# Altium PCB StratoChovy.PcbDoc (part 1 of 2) (continued)
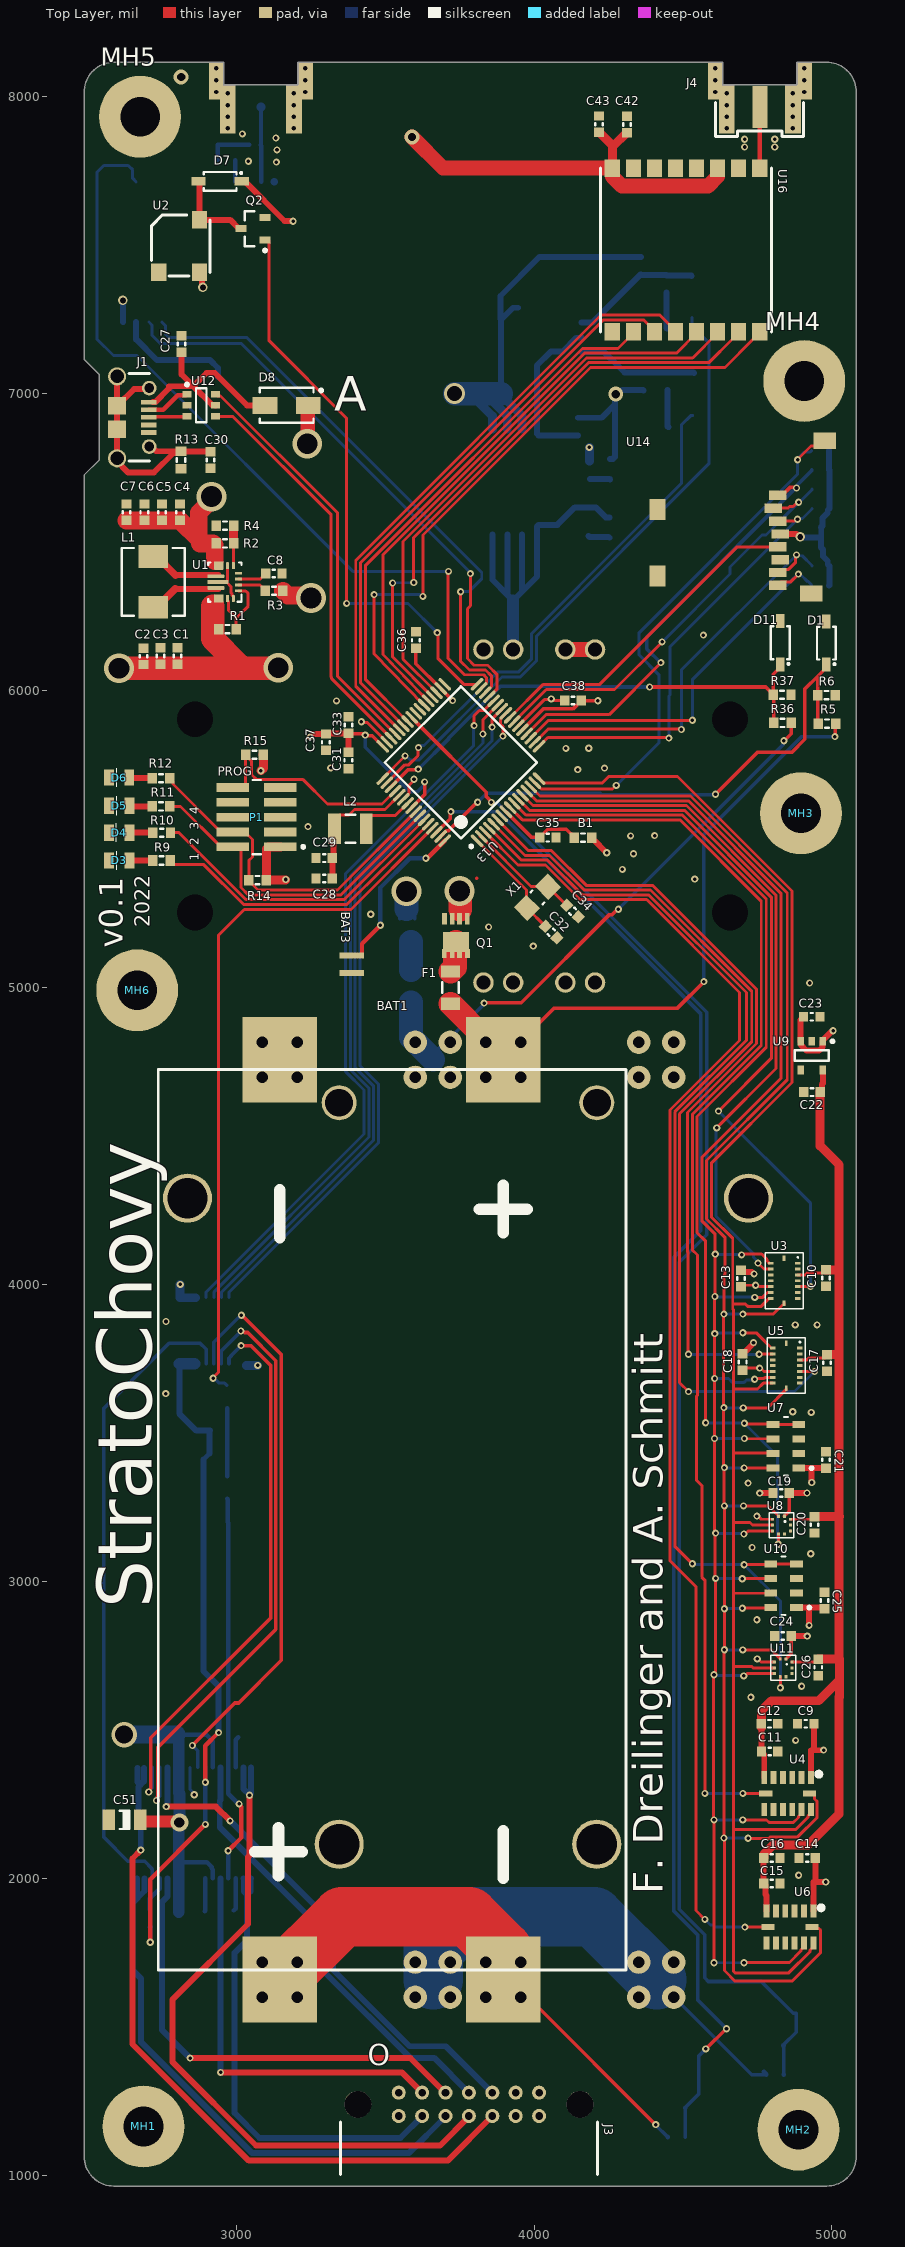
[diagram p0: Top Layer view]
## Footprints (in the part's own frame and the unit in brackets; to place one, negate y for a bottom-side part, rotate by r counter-clockwise, add the part's x,y. Pads: shape width x height; smd on the part's side, far side on the other; paste and mask are expansions set on the pad) (continued)
BATT_COINCELL_RECHARGEABLE [mm] "RECHARGEABLE COIN CELL MS621FE"
  rect 2.1x0.5 smd: +(0,0) -(0,-1.5)
  body extent -8.28,-4.16 -1.48,2.64, height 2.8
BMI088 [mm]
  rect 0.25x0.475 smd: 1(3.75,0.34) 2(3.25,0.34) 3(2.75,0.34) 4(2.25,0.34) 5(1.75,0.34) 6(1.25,0.34) 7(0.75,0.34) 9(0.75,2.66) 10(1.25,2.66) 11(1.75,2.66) 12(2.25,2.66) 13(2.75,2.66) 14(3.25,2.66) 15(3.75,2.66)
  rect 0.475x0.25 smd: 8(0.335,1.5) 16(4.165,1.5)
  silkscreen extent -0.13,-0.13 4.63,3.13, body extent 0,0 4.5,3, height 1
BUZ_SMT-0540-T-7-R [mm]
  rect 1.3x1.5 smd: 1(0,4.5) 2(0,0) 3(3.5,4.5)
  silkscreen extent -0.9,-0.4 4.1,4.8, body extent -0.92,-0.43 4.08,5.07, height 2
C0603 [mm] "Chip Capacitor, 2-Leads, Body 1.6x0.8mm, IPC High Density"
  rect 0.8x0.85 smd: 1(-0.7,0) 2(0.7,0)
  silkscreen extent -0.1,-0.33 0.1,0.33, body extent -0.8,-0.4 0.8,0.4, height 0.8
C1206P [mm] "Chip Capacitor, 2-Leads, Body 3.2x1.6mm, IPC High Density"
  rect 1.1x1.75 smd: 1(-1.35,0) 2(1.35,0)
  silkscreen extent -0.4,-0.78 0.4,0.77, body extent -1.6,-0.8 1.6,0.8, height 0.78
C1210 [mm] "Chip Capacitor, 2-Leads, Body 3.2x2.5mm, IPC High Density"
  rect 1.1x2.6 smd: 1(-1.35,0) 2(1.35,0)
  silkscreen extent -0.4,-1.2 0.4,1.2, body extent -1.6,-1.25 1.6,1.25, height 0.78
CONN_USBMICROB_10118194-0001LF [mm]
  rect 0.4x1.35 smd: 1(-1.3,2.7) 2(-0.65,2.7) 3(0,2.7) 4(0.65,2.7) 5(1.3,2.7)
  round 1.55 hole 1.15: SHIELD(-3.5,0) SHIELD(3.5,0)
  round 1.25 hole 0.85: SHIELD(-2.5,2.75) SHIELD(2.5,2.75)
  rect 1.5x1.55 smd: SHIELD(-1,0) SHIELD(1,0)
  silkscreen extent -3.75,1.02 3.75,2.75, body extent -4.03,-2.71 4.02,2.87, height 2.72
DRF1268T [mm]
  rect 1.5x1.3 smd paste+0 mask+0: 1(0,0) 2(0,-1.8) 3(0,-3.6) 4(0,-5.4) 5(0,-7.2) 6(0,-9) 7(0,-10.8) 8(0,-12.6) 9(14,-12.6) 10(14,-10.8) 11(14,-9) 12(14,-7.2) 13(14,-5.4) 14(14,-3.6) 15(14,-1.8) 16(14,0)
  silkscreen extent 0,-13.6 14,1, body extent 0,-13.59 13.97,1.02, height 3
HARWIN_M80-5401442 [mm] "Headers & Wire Housings 7+7 POS R/A MALE 3mm TAIL W/JS TIN"
  round 1.2 hole 0.65: 1(6,1) 2(4,1) 3(2,1) 4(0,1) 5(-2,1) 6(-4,1) 7(-6,1) 8(-6,-1) 9(-4,-1) 10(-2,-1) 11(0,-1) 12(2,-1) 13(4,-1) 14(6,-1)
  round 2.3 hole 2.3: 15(-9.5,0) 15(9.5,0)
  silkscreen extent -11,-6 11,-1.5, body extent -12,-7 12,2.1, height 5.98
LGA_CC-14-1 [mm]
  rect 1.118x0.5 smd mask+0.025: 1(-1.371,2) 2(-1.371,1.2) 3(-1.371,0.4) 4(-1.371,-0.4) 5(-1.371,-1.2) 6(-1.371,-2) 8(1.371,-2) 9(1.371,-1.2) 10(1.371,-0.4) 11(1.371,0.4) 12(1.371,1.2) 13(1.371,2)
  rect 0.5x1.118 smd mask+0.025: 7(0,-1.871) 14(0,1.871)
  silkscreen extent -1.84,2.48 -1.46,2.86, body extent -1.63,-2.5 1.63,2.5, height 1
MICROSD_CARD_SOCKET [mm]
  rect 0.8x1.5 smd: 1(-8.94,-3.8) 2(-7.84,-4.2) 3(-6.74,-3.8) 4(-5.64,-3.6) 5(-4.54,-3.8) 6(-3.44,-3.6) 7(-2.34,-3.8) 8(-1.24,-3.8)
  rect 1.4x1.9 smd: CD(-13.6,0.2) SHIELD3(-0.55,-0.95)
  rect 1.8x1.4 smd: SHIELD1(-2.05,-14.1) SHIELD2(-7.75,-14.1)
  body extent -14,-14.42 0,0.83, height 1.85
MSI-MS561101BA03-50-8_V [mm] "SMD, 8-Leads, Body 5x3mm, Pitch 1.25mm"
  rect 1.1x0.6 smd: 1(-1.1,1.875) 2(-1.1,0.625) 3(-1.1,-0.625) 4(-1.1,-1.875) 5(1.1,-1.875) 6(1.1,-0.625) 7(1.1,0.625) 8(1.1,1.875)
  silkscreen extent -2.32,-2.5 0.15,2.5, body extent -1.5,-2.5 1.5,2.5, height 1
NEO_M8 [mm]
  rect 1.8x0.85 smd paste-25.4 mask-25.4: 1(6,-7.127) 2(6,-6.027) 3(6,-4.927) 4(6,-3.827) 5(6,-2.727) 6(6,-1.627) 7(6,-0.527) 8(6,2.473) 9(6,3.573) 10(6,4.673) 11(6,5.773) 12(6,6.873) 13(-6,6.873) 14(-6,5.773) 15(-6,4.673) 16(-6,3.573) 17(-6,2.473) 18(-6,-0.527) 19(-6,-1.627) 20(-6,-2.727) 21(-6,-3.827) 22(-6,-4.927) 23(-6,-6.027) 24(-6,-7.127)
  silkscreen extent -6.1,-8.81 7.41,7.87, body extent -5.95,-8 6.25,8, height 1.88
POWERPAK_1212-8_SINGLE [mm] "PowerPAK 1212-8 Single (Vishay footprint)"
  rect 0.99x0.405 smd: 1(-1.12,0.975) 1(-1.12,-0.315) 1(-1.12,0.315) 4(-1.12,-0.975)
  rect 1.725x2.204 smd: 5(0.863,0)
  rect 0.76x0.405 smd: 5(1.855,0.992) 5(1.855,-0.315) 5(1.855,0.315) 5(1.855,-0.992)
  Mechanical 13 keep-out region: -0.166,-1.772 0.169,-1.772 0.169,1.778 -0.166,1.778
  body extent -1.5,-1.25 2,1.25, height 1.05
R0402 [mm] "Chip Resistor, 2-Leads, Body 1.0x0.5mm, IPC High Density"
  rect 0.65x0.55 smd: 1(-0.475,0) 2(0.475,0)
  body extent -0.5,-0.25 0.5,0.25, height 0.35
R0603 [mm] "Chip Resistor, 2-Leads, Body 1.6x0.8mm, IPC High Density"
  rect 0.8x0.9 smd: 1(-0.75,0) 2(0.75,0)
  silkscreen extent -0.15,-0.35 0.15,0.35, body extent -0.8,-0.4 0.8,0.4, height 0.45
R1206 [mm] "Chip Resistor, 2-Leads, Body 3.1x1.6mm, IPC High Density"
  rect 1.05x1.6 smd: 1(-1.375,0) 2(1.375,0)
  silkscreen extent -0.45,-0.7 0.45,0.7, body extent -1.6,-0.8 1.6,0.8, height 0.6
"SAMD TQFP-64" [mm] "TSQFP, 64-Leads, Body 10.00x10.00mm, Pitch 0.50mm, IPC Medium Density"
  oval 1.4x0.3 smd: 1(-5.7,3.75) 2(-5.7,3.25) 3(-5.7,2.75) 4(-5.7,2.25) 5(-5.7,1.75) 6(-5.7,1.25) 7(-5.7,0.75) 8(-5.7,0.25) 9(-5.7,-0.25) 10(-5.7,-0.75) 11(-5.7,-1.25) 12(-5.7,-1.75) 13(-5.7,-2.25) 14(-5.7,-2.75) 15(-5.7,-3.25) 16(-5.7,-3.75) 33(5.7,-3.75) 34(5.7,-3.25) 35(5.7,-2.75) 36(5.7,-2.25) 37(5.7,-1.75) 38(5.7,-1.25) 39(5.7,-0.75) 40(5.7,-0.25) 41(5.7,0.25) 42(5.7,0.75) 43(5.7,1.25) 44(5.7,1.75) 45(5.7,2.25) 46(5.7,2.75) 47(5.7,3.25) 48(5.7,3.75)
  oval 0.3x1.4 smd: 17(-3.75,-5.7) 18(-3.25,-5.7) 19(-2.75,-5.7) 20(-2.25,-5.7) 21(-1.75,-5.7) 22(-1.25,-5.7) 23(-0.75,-5.7) 24(-0.25,-5.7) 25(0.25,-5.7) 26(0.75,-5.7) 27(1.25,-5.7) 28(1.75,-5.7) 29(2.25,-5.7) 30(2.75,-5.7) 31(3.25,-5.7) 32(3.75,-5.7) 49(3.75,5.7) 50(3.25,5.7) 51(2.75,5.7) 52(2.25,5.7) 53(1.75,5.7) 54(1.25,5.7) 55(0.75,5.7) 56(0.25,5.7) 57(-0.25,5.7) 58(-0.75,5.7) 59(-1.25,5.7) 60(-1.75,5.7) 61(-2.25,5.7) 62(-2.75,5.7) 63(-3.25,5.7) 64(-3.75,5.7)
  silkscreen extent -5.82,-4.6 4.6,4.6, body extent -6,-6 6,6, height 1.2
SCREW_M3 [mm]
  round 7 hole 3.4: 1(0,0)
SMA [mm] "Molded Diode, 2-Leads, Body 4.3x2.6mm, IPC High Density"
  rect 2.1x1.45 smd: 1(-1.85,0) 2(1.85,0)
  silkscreen extent -2.3,-1.5 3.08,1.5, body extent -2.6,-1.3 2.6,1.3, height 2.4
SMA-J-P-X-ST-EM1 [mm]
  rect 1.35x4.2 smd paste-2.54 mask+0: G1(2.825,-2.1) G3(-2.825,-2.1)
  rect 1.35x4.2 smd far side paste-2.54 mask+0: G2(2.825,-2.1) G4(-2.825,-2.1)
  rect 1.27x3.175 smd far side paste-2.54 mask+0: G5(3.81,0.317) G6(-3.81,0.318)
  rect 1.27x3.175 smd paste-2.54 mask+0: G7(3.81,0.317) G8(-3.81,0.318)
  rect 1.27x3.6 smd paste-2.54 mask+0.05: S1(0,-1.9)
  silkscreen extent -3.81,-4.45 3.75,-1.52, body extent -3.18,-3.78 3.18,12.1, height 3.63
SMD5230 [mm]
  rect 1.95x2.55 smd: 1(-2.175,0) 2(2.175,0)
  silkscreen extent -2.9,-2.7 2.9,2.7, body extent -2.87,-2.72 2.87,2.71, height 3
SMTC-FTSH-105-01-L-DV-K_V [mm] "CONN, 10-Leads, Body 6.35x3.43mm, Pitch 1.27mm"
  rect 0.74x2.79 smd: 1(-2.54,-2.035) 2(-2.54,2.035) 3(-1.27,-2.035) 4(-1.27,2.035) 5(0,-2.035) 6(0,2.035) 7(1.27,-2.035) 8(1.27,2.035) 9(2.54,-2.035) 10(2.54,2.035)
  silkscreen extent -3.17,-4.11 3.18,0.34, body extent -3.17,-2.92 3.18,2.92, height 6.12
SOD123 [mm]
  rect 1.2x0.7 smd: 1(-1.85,0) 2(1.85,0)
  silkscreen extent -1.4,-0.8 1.85,0.8, body extent -1.85,-0.8 1.85,0.8, height 1.27
SOT1762-1 [mm] "SSOP, 32-Leads, Body 11.00x7.50mm, Pitch 0.65mm, IPC Medium Density"
  oval 1.9x0.4 smd: 1(-4.75,4.875) 2(-4.75,4.225) 3(-4.75,3.575) 4(-4.75,2.925) 5(-4.75,2.275) 6(-4.75,1.625) 7(-4.75,0.975) 8(-4.75,0.325) 9(-4.75,-0.325) 10(-4.75,-0.975) 11(-4.75,-1.625) 12(-4.75,-2.275) 13(-4.75,-2.925) 14(-4.75,-3.575) 15(-4.75,-4.225) 16(-4.75,-4.875) 17(4.75,-4.875) 18(4.75,-4.225) 19(4.75,-3.575) 20(4.75,-2.925) 21(4.75,-2.275) 22(4.75,-1.625) 23(4.75,-0.975) 24(4.75,-0.325) 25(4.75,0.325) 26(4.75,0.975) 27(4.75,1.625) 28(4.75,2.275) 29(4.75,2.925) 30(4.75,3.575) 31(4.75,4.225) 32(4.75,4.875)
  silkscreen extent -4.87,-5.55 3.4,5.75, body extent -5.15,-5.55 5.15,5.55, height 2.65
STRATOLOGGER_ALTIMETER [mm]
  round 1.75 hole 1.2: 1(-5.994,-11.542) 2(-5.994,-14.082) 3(-5.994,-18.542) 4(-5.994,-21.082) 5(22.486,-21.082) 6(22.486,-18.542) 7(22.486,-14.082) 8(22.486,-11.542)
  round 1.524 hole 3.048: Hole1(0,0) Hole2(16.51,0) Hole3(0,-45.745) Hole4(16.51,-45.745)
  silkscreen extent -2.46,-48.41 19.1,2.39, body extent -2.47,-48.41 19.12,2.39, height 13.2
TPS63070 [mm]
  rrect40% 0.6x0.25 on Top Paste: 0(0.751,2.413) 0(0.751,1.913) 0(3.551,1.913) 0(3.551,2.413)
  rrect40% 0.6x0.25 on Top Solder: 0(0.751,2.413) 0(0.751,1.913) 0(3.551,1.913) 0(3.551,2.413)
  rrect40% 0.25x0.75 on Top Paste: 0(0.926,2.163) 0(3.376,2.163)
  rrect40% 0.25x0.75 on Top Solder: 0(0.926,2.163) 0(3.376,2.163)
  rrect40% 0.25x0.72 on Top Paste: 0(2.151,2.698) 1(2.151,1.778)
  rrect42% 0.24x0.6 smd: 1(1.401,0.488) 2(1.901,0.488) 3(2.401,0.488) 4(2.901,0.488)
  rrect40% 0.25x0.575 on Top Paste: 1(1.651,2.026) 1(1.651,2.801) 1(2.651,2.026) 1(2.651,2.801)
  rrect42% 0.6x0.24 smd: 5(3.551,0.913) 6(3.551,1.413) 14(0.751,1.413) 15(0.751,0.913)
  rrect17% 0.7x0.85 smd paste-0.35 mask-0.35: 7(3.551,2.163) 8(3.551,2.163) 12(0.751,2.163) 13(0.751,2.163)
  rrect42% 0.328x1.45 smd paste-0.18 mask-0.05: 9(2.651,2.413) 11(1.651,2.413)
  rrect42% 0.328x1.8 smd paste-0.18 mask-0.05: 10(2.151,2.238)
  silkscreen extent 0.48,0.21 3.83,3.06, body extent 0.58,0.31 3.73,2.96, height 1.01
XTAL_TXC_9HT10 [mm] "Chip Capacitor, 2-Leads, Body 3.2x1.5mm, IPC Medium Density"
  rect 1.55x1.65 smd: 1(-1.275,0) 2(1.275,0)
  silkscreen extent -0.1,-0.72 0.1,0.72, body extent -1.65,-0.8 1.65,0.8, height 0.85

## Part data
B1: library part CMP-051-0000-1, "FERRITE BEAD 600 OHM 300mA", Current Rating (Max)=300mA, DC Resistance (DCR) (Max)="400 mOhm", Impedance @ Frequency="600 Ohm @ 100MHz", Manufacturer="Taiyo Yuden", Manufacturer Part Number=BK1608HW601-T, Operating Temperature="-55°C ~ 125°C", Package / Case="0603 (1608 Metric)", Ratings=-, ComponentLink1Description=http://ds.yuden.co.jp/TYCOMPAS/ut/detail.do?productNo=BK1608HW601-T&fileName=BK1608HW601-T_SS&mode=specSheetDownload, ComponentLink1URL=http://ds.yuden.co.jp/TYCOMPAS/ut/detail.do?productNo=BK1608HW601-T&fileName=BK1608HW601-T_SS&mode=specSheetDownload, Design Item ID=FB_1608, Filter Type=-, Height (Max)="0.037\" (0.95mm)", Mounting Type="Surface Mount", Number of Lines=1, Packaging="Cut Tape (CT)", Part Status=Active, Pricing 1="1=0.1, 10=0.059, 50=0.0474, 100=0.0426, 250=0.0312, 500=0.0227, 1000=0.02223 (USD)", RoHS="RoHS Compliant", Size / Dimension="0.063\" L x 0.031\" W (1.60mm x 0.80mm)", Source=inductor.SchLib, Stock 1=11908
BAT1: library part CMP-030-0028-3, "Dual Lithium Ion Cell Holder", Manufacturer="Keystone Electronics", Manufacturer Part Number=1048P, Operating Temperature="-50°C ~ 145°C", Battery Cell Size=18650, Battery Series=-, Battery Type, Function="Cylindrical, Holder", ComponentLink1Description=http://www.keyelco.com/product-pdf.cfm?p=13959, ComponentLink1URL=http://www.keyelco.com/product-pdf.cfm?p=13959, Design Item ID=BATT_Clip_Li-Ion_2x, Height Above Board="0.585\" (14.86mm)", Mounting Type="PCB, Surface Mount", Number of Cells=2, Pricing 1="1=4.81, 10=4.007, 50=3.506, 100=3.339, 250=2.92164, 500=2.83816, 1000=2.42078, 2500=2.25382, 5000=2.24047 (USD)", RoHS="RoHS Compliant", Source=connector.SchLib, Stock 1=759, Style="Holder (Open)", Termination Style="SMD (SMT) Tab"
BAT2 BAT3: library part CMP-060-0000-1, "MS621FE RECHARGEABLE COIN CELL BACKUP", Capacity=5.5mAh, Manufacturer="Seiko Instruments", Manufacturer Part Number=MS621FE-FL11E, Standard Charge Current=15µA, Battery Cell Size="Coin, 6.8mm", Battery Chemistry=Lithium, ComponentLink1Description=http://www.sii.co.jp/en/me/files/2017/04/MicroBatteryCatalogue-E_2017_web.pdf, ComponentLink1URL=http://www.sii.co.jp/en/me/files/2017/04/MicroBatteryCatalogue-E_2017_web.pdf, Design Item ID=BAT_MS621FE, Discharge Rate=15µA, Part Status=Active, Pricing 1="1=2.04, 10=1.838, 50=1.6338, 100=1.4296, 250=1.30704, 500=1.22534, 1000=1.09051, 2500=1.0112, 5000=0.99138 (USD)", RoHS="RoHS Compliant", Shipping Info="Due to restrictions, only ground shipment is allowed.", Size / Dimension="0.27\" Dia x 0.08\" H (6.8mm x 2.1mm)", Source=miscellaneous.SchLib, Standard Charge Time=-, Stock 1=41059, Termination Style="SMD (SMT) Tab", Weight=0.23g
BAT4: library part CMP-030-0028-1, "Dual Lithium Ion Cell Holder", Manufacturer="Keystone Electronics", Manufacturer Part Number=1048P, Operating Temperature="-50°C ~ 145°C", Battery Cell Size=18650, Battery Series=-, Battery Type, Function="Cylindrical, Holder", ComponentLink1Description=http://www.keyelco.com/product-pdf.cfm?p=13959, ComponentLink1URL=http://www.keyelco.com/product-pdf.cfm?p=13959, Design Item ID=BATT_Clip_Li-Ion_2x, Height Above Board="0.585\" (14.86mm)", Mounting Type="PCB, Surface Mount", Number of Cells=2, Pricing 1="1=4.81, 10=4.007, 50=3.506, 100=3.339, 250=2.92164, 500=2.83816, 1000=2.42078, 2500=2.25382, 5000=2.24047 (USD)", RoHS="RoHS Compliant", Source=connector.SchLib, Stock 1=759, Style="Holder (Open)", Termination Style="SMD (SMT) Tab"
C1 C2 C3 C4 C12 C16 C37 C39 C42 C43 C44 C45: library part CMP-119-0071-1, "CAP CER 10UF 35V X5R 0603 20%", Capacitance (shorthand)=10µF, Capacitance - pF (Machine readable)=#NAME?, Dielectric=X5R, Manufacturer="Murata Electronics North America", Rated Voltage=35V
C5 C6 C7: library part CMP-119-0072-1, "CAP CER 22UF 16V X5R 0603 20%", Capacitance (shorthand)=22µF, Capacitance - pF (Machine readable)=#NAME?, Dielectric=X5R, Manufacturer="Samsung Electro-Mechanics", Rated Voltage=16V
C8 C9 C10 C11 C13 C14 C15 C17 C18 C19 C20 C21 C24 C25 C26 C27 C29 C31 C33 C35 C36 C38 C40: library part CMP-119-0065-1, "CAP CER 0603 0.1µF X7R 50V 10%", Capacitance (shorthand)=0.1µF, Capacitance - pF (Machine readable)=#NAME?, Dielectric=X7R, Manufacturer="Murata Electronics North America", Rated Voltage=50V
C22: library part CMP-119-0071-1, "CAP CER 10UF 35V X5R 0603 20%", Capacitance (shorthand)=10µF, Capacitance - pF (Machine readable)=#NAME?, Dielectric=X5R, Manufacturer="Murata Electronics North America"
C23: library part CMP-119-0065-1, "CAP CER 0603 0.1µF X7R 50V 10%", Capacitance (shorthand)=0.1µF, Capacitance - pF (Machine readable)=#NAME?, Dielectric=X7R, Manufacturer="Murata Electronics North America"
C28: library part CMP-119-0070-1, "CAP CER 4.7UF 16V X5R 0603 10%", Capacitance (shorthand)=4.7µF, Capacitance - pF (Machine readable)=#NAME?, Dielectric=X5R, Manufacturer=Yageo, Rated Voltage=16V
C30: library part CMP-119-0049-1, "CAP CER 0603 4700pF X7R 50V 10%", Capacitance (shorthand)=4700pF, Capacitance - pF (Machine readable)=#NAME?, Dielectric=X7R, Manufacturer="Murata Electronics North America", Rated Voltage=50V
C32 C34: library part CMP-119-0008-1, "CAP CER 22PF 50V C0G/NP0 0603", Capacitance (shorthand)=22pF, Capacitance - pF (Machine readable)=22, Dielectric="C0G, NP0", Manufacturer="Murata Electronics North America", Rated Voltage=50V
C41: library part CMP-119-0053-1, "CAP CER 0603 10000pF X7R 50V 10%", Capacitance (shorthand)=10000pF, Capacitance - pF (Machine readable)=#NAME?, Dielectric=X7R, Manufacturer="Murata Electronics North America", Rated Voltage=50V
C46 C47 C48: library part CMP-027-0018-1, "CAP CER 0.1UF 100V X7S 0603", Capacitance=0.1µF, Manufacturer="TDK Corporation", Manufacturer Part Number=C1608X7S2A104K080AB, Operating Temperature="-55°C ~ 125°C", Package / Case="0603 (1608 Metric)", Ratings=-, Temperature Coefficient=X7S, tolerance=±10%, Voltage - Rated=100V, Applications="General Purpose", ComponentLink1Description=https://product.tdk.com/info/en/catalog/datasheets/mlcc_commercial_midvoltage_en.pdf, ComponentLink1URL=https://product.tdk.com/info/en/catalog/datasheets/mlcc_commercial_midvoltage_en.pdf, Design Item ID=CAP_CER_100NF_100V, Failure Rate=-, Features=-, Height - Seated (Max)=-, Lead Spacing=-, Lead Style=-, Mounting Type="Surface Mount, MLCC", Packaging="Cut Tape (CT)", Part Status=Active, Pricing 1="1=0.19, 10=0.133, 100=0.0673, 500=0.04604, 1000=0.04073 (USD)", RoHS="RoHS Compliant", Size / Dimension="0.063\" L x 0.031\" W (1.60mm x 0.80mm)", Source=capacitor.SchLib, Stock 1=662530, Thickness (Max)="0.037\" (0.95mm)"
C49 C50 C51: library part CMP-026-0002-1, Capacitance=33µF, ESR (Equivalent Series Resistance)="600 mOhm", Lifetime @ Temp.=-, Manufacturer="AVX Corporation", Manufacturer Part Number=TPSA336K006R0600, Manufacturer Size Code=A, Operating Temperature="-55°C ~ 125°C", Package / Case="1206 (3216 Metric)", tolerance=±10%, Voltage - Rated=6.3V, ComponentLink1Description=http://datasheets.avx.com/TPS.pdf, ComponentLink1URL=http://datasheets.avx.com/TPS.pdf, Design Item ID=CAP_TANT_33UF, Failure Rate=-, Features="General Purpose", Height - Seated (Max)="0.071\" (1.80mm)", Lead Spacing=-, Mounting Type="Surface Mount", Packaging="Cut Tape (CT)", Part Status=Active, Pricing 1="1=0.52, 10=0.371, 25=0.3168, 50=0.2806, 100=0.2444, 250=0.20816, 500=0.181, 1000=0.15385 (USD)", RoHS="RoHS Compliant", Size / Dimension="0.126\" L x 0.063\" W (3.20mm x 1.60mm)", Source=capacitor.SchLib, Stock 1=27700
D1 D2 D7 D11 D12: library part CMP-033-0037-1, "DIODE SCHOTTKY 0.5A 20V SOD-123", Capacitance @ Vr, F=-, Current - Average Rectified (Io)=500mA, Current - Reverse Leakage @ Vr="250µA @ 20V", Manufacturer="Fairchild Semiconductor", Manufacturer Part Number=MBR0520L, Package / Case=SOD-123, Voltage - DC Reverse (Vr) (Max)=20V, Voltage - Forward (Vf) (Max) @ If="385mV @ 500mA", ComponentLink1Description=Datasheet, ComponentLink1URL=http://www.fairchildsemi.com/ds/MB/MBR0520L.pdf, Design Item ID=SCHOTTKY_MBR0520L, Diode Type=Schottky, Mounting Type="Surface Mount", Packaging="Cut Tape (CT)", Pricing 1="1=0.63, 10=0.43, 100=0.2024, 250=0.1442, 500=0.11006, 750=0.08603, 1000=0.0759 (USD)", Reverse Recovery Time (trr)=-, RoHS="RoHS Compliant", Source=diode.SchLib, Speed="Fast Recovery =< 500ns, > 200mA (Io)", Stock 1=217232, Supplier Device Package=SOD-123
D3 D4 D5 D6 D9: library part CMP-033-0000-1, "LED 0805 GREEN 20MA", Color=Green, Current - Test=20mA, Lens Color=White, Manufacturer="OSRAM Opto Semiconductors Inc", Manufacturer Part Number="LG R971-KN-1", Millicandela Rating=26.05mcd, Package / Case="0805 (2012 Metric)", Voltage - Forward (Vf) (Typ)=2.2V, ComponentLink1Description=http://www.osram-os.com/Graphics/XPic9/00078860_0.pdf, ComponentLink1URL=http://www.osram-os.com/Graphics/XPic9/00078860_0.pdf, Design Item ID=LED_LY971, Height (Max)=0.80mm, Lens Style/Size="Rectangle with Flat Top, 1.30mm x 1.25mm", Lens Transparency=Diffused, Mounting Type="Surface Mount", Packaging="Cut Tape (CT)", Pricing 1="1=0.08, 10=0.069, 100=0.0548, 250=0.04796, 500=0.04384 (USD)", RoHS="RoHS Compliant", Size / Dimension="2.00mm L x 1.25mm W", Source=diode.SchLib, Stock 1=89733, Viewing Angle=160°, Wavelength - Dominant=570nm, Wavelength - Peak=572nm
D8: library part CMP-033-0060-1, "Diode Schottky 100V 1A Surface Mount SMA (DO-214AC)", Capacitance @ Vr, F="30pF @ 4V, 1MHz", Current - Average Rectified (Io)=1A, Current - Reverse Leakage @ Vr="500µA @ 100V", Manufacturer="Bourns Inc.", Manufacturer Part Number=CD214A-B1100LF, Operating Temperature - Junction="-55°C ~ 125°C", Package / Case="DO-214AC, SMA", Supplier Device Package="SMA (DO-214AC)", Voltage - DC Reverse (Vr) (Max)=100V, Voltage - Forward (Vf) (Max) @ If="790mV @ 1A", ComponentLink1Description=http://www.bourns.com/docs/Product-Datasheets/CD214-B120_B1100.pdf, ComponentLink1URL=http://www.bourns.com/docs/Product-Datasheets/CD214-B120_B1100.pdf, Design Item ID=Diode_CD214A-B1100LF, Diode Type=Schottky, Mounting Type="Surface Mount", Packaging="Cut Tape (CT)", Part Status=Active, Pricing 1="1=0.54, 10=0.42, 25=0.3544, 100=0.2888, 250=0.2392, 500=0.1976, 1000=0.148, 2500=0.136 (USD)", Reverse Recovery Time (trr)=-, RoHS="RoHS Compliant", Source=diode.SchLib, Speed="Fast Recovery =< 500ns, > 200mA (Io)", Stock 1=21982
D10: library part CMP-033-0001-1, "LED 0805 RED 20MA", Color=Red, Current - Test=20mA, Lens Color=White, Manufacturer="OSRAM Opto Semiconductors Inc", Manufacturer Part Number="LH R974-LP-1", Millicandela Rating=41mcd, Package / Case="0805 (2012 Metric)", Voltage - Forward (Vf) (Typ)=1.8V, ComponentLink1Description=http://www.osram-os.com/Graphics/XPic8/00078869_0.pdf, ComponentLink1URL=http://www.osram-os.com/Graphics/XPic8/00078869_0.pdf, Design Item ID=LED_LY974, Height (Max)=0.80mm, Lens Style/Size="Rectangle with Flat Top, 1.30mm x 1.25mm", Lens Transparency=Diffused, Mounting Type="Surface Mount", Packaging="Cut Tape (CT)", Pricing 1="1=0.08, 10=0.07, 100=0.0559, 250=0.04892, 500=0.04472 (USD)", RoHS="RoHS Compliant", Size / Dimension="2.00mm L x 1.25mm W", Source=diode.SchLib, Stock 1=66379, Viewing Angle=160°, Wavelength - Dominant=645nm, Wavelength - Peak=660nm
F1 F2: library part CMP-035-0003-1, Design Item ID=__template_fuse, Source=fuse.SchLib
J1: library part CMP-029-0083-1, "CONN RCPT USB2.0 MICRO B SMD R/A", Colour=Black, Current Rating=1.8A, Flammability Rating="UL94 V-0", Insulation Resistance=1GR, Manufacturer="Amphenol FCI", Manufacturer Part Number=10118194-0001LF, Max Operating Temperature=85°C, Max Voltage Rating (AC)=100V, Min Operating Temperature=-55°C, Package Quantity=9600, ComponentLink1Description=https://datasheet.ciiva.com/851/10118194-851110.pdf, ComponentLink1URL=https://datasheet.ciiva.com/851/10118194-851110.pdf, ComponentLink2Description=https://datasheet.ciiva.com/851/10118194-851111.pdf, ComponentLink2URL=https://datasheet.ciiva.com/851/10118194-851111.pdf, ComponentLink3Description=https://datasheet.ciiva.com/4598/10118194ac-197217-4598807.pdf, ComponentLink3URL=https://datasheet.ciiva.com/4598/10118194ac-197217-4598807.pdf, ComponentLink4Description=https://datasheet.ciiva.com/29907/10118194-29907230.pdf, ComponentLink4URL=https://datasheet.ciiva.com/29907/10118194-29907230.pdf, ComponentLink5Description=https://datasheet.ciiva.com/26945/getdatasheetpartid-418619-26945695.pdf, ComponentLink5URL=https://datasheet.ciiva.com/26945/getdatasheetpartid-418619-26945695.pdf, Connector Type=USB,Receptacle, Contact Material="Copper Alloy", Contact Plating=Nickel,Gold, Depth=5mm, Design Item ID=CONN_USB_MICROB_SMD_TH_R/A, Gender=Receptacle, Housing Material=Polymer, Lead Free="Lead Free", Length=8.05mm, Mount="Surface Mount,Horizontal", Number of Contacts=5, Number of Ports=1, Number of Terminals=5, Orientation="Right Angle", Packaging="Tape and Reel", Pitch=0.65mm, Pricing 1="1=0.46, 10=0.437, 25=0.3744, 50=0.318, 100=0.3056, 250=0.2744, 500=0.262 (USD)", Radiation Hardening=No, Source=connector.SchLib, Stock 1=180464, Termination=Solder
J2 J4: library part CMP-025-0000-1, "SMA Samtec, Edge Mount, Long Thread. PCB Footprint designed by timv to improve strength, verifived on several PCBs from BAC."
J3: library part CMP-030-0115-1, "7+7 POS R/A MALE 3mm TAIL W/JS TIN", Manufacturer=Harwin, Manufacturer Part Number=M80-5401442, ComponentLink1Description=https://datasheet.ciiva.com/11751/0900766b80d93463-11751065.pdf, ComponentLink1URL=https://datasheet.ciiva.com/11751/0900766b80d93463-11751065.pdf, ComponentLink2Description=https://datasheet.ciiva.com/733/m80-540-733786.pdf, ComponentLink2URL=https://datasheet.ciiva.com/733/m80-540-733786.pdf, ComponentLink3Description=https://datasheet.ciiva.com/41451/001233329-da-01-en-stiftleiste-einbau-gewinkelt-m80-5401442-41451405.pdf, ComponentLink3URL=https://datasheet.ciiva.com/41451/001233329-da-01-en-stiftleiste-einbau-gewinkelt-m80-5401442-41451405.pdf, Design Item ID=HARWIN_MALE_RIGHT-ANGLE_M80-5401442, Height=6.05mm, Length=24mm, Number of arrays=2, Number of poles=14, Pitch=2mm, Pricing 1="1=18.11, 10=16.81, 50=14.66, 100=12.93, 1000=11.81, 10000=11.81 (USD)", Source=connector.SchLib, Stock 1=61, Wire connection method=Solder